# Altium PCB edison_gateway_v3.PcbDoc (part 1 of 3) (continued)
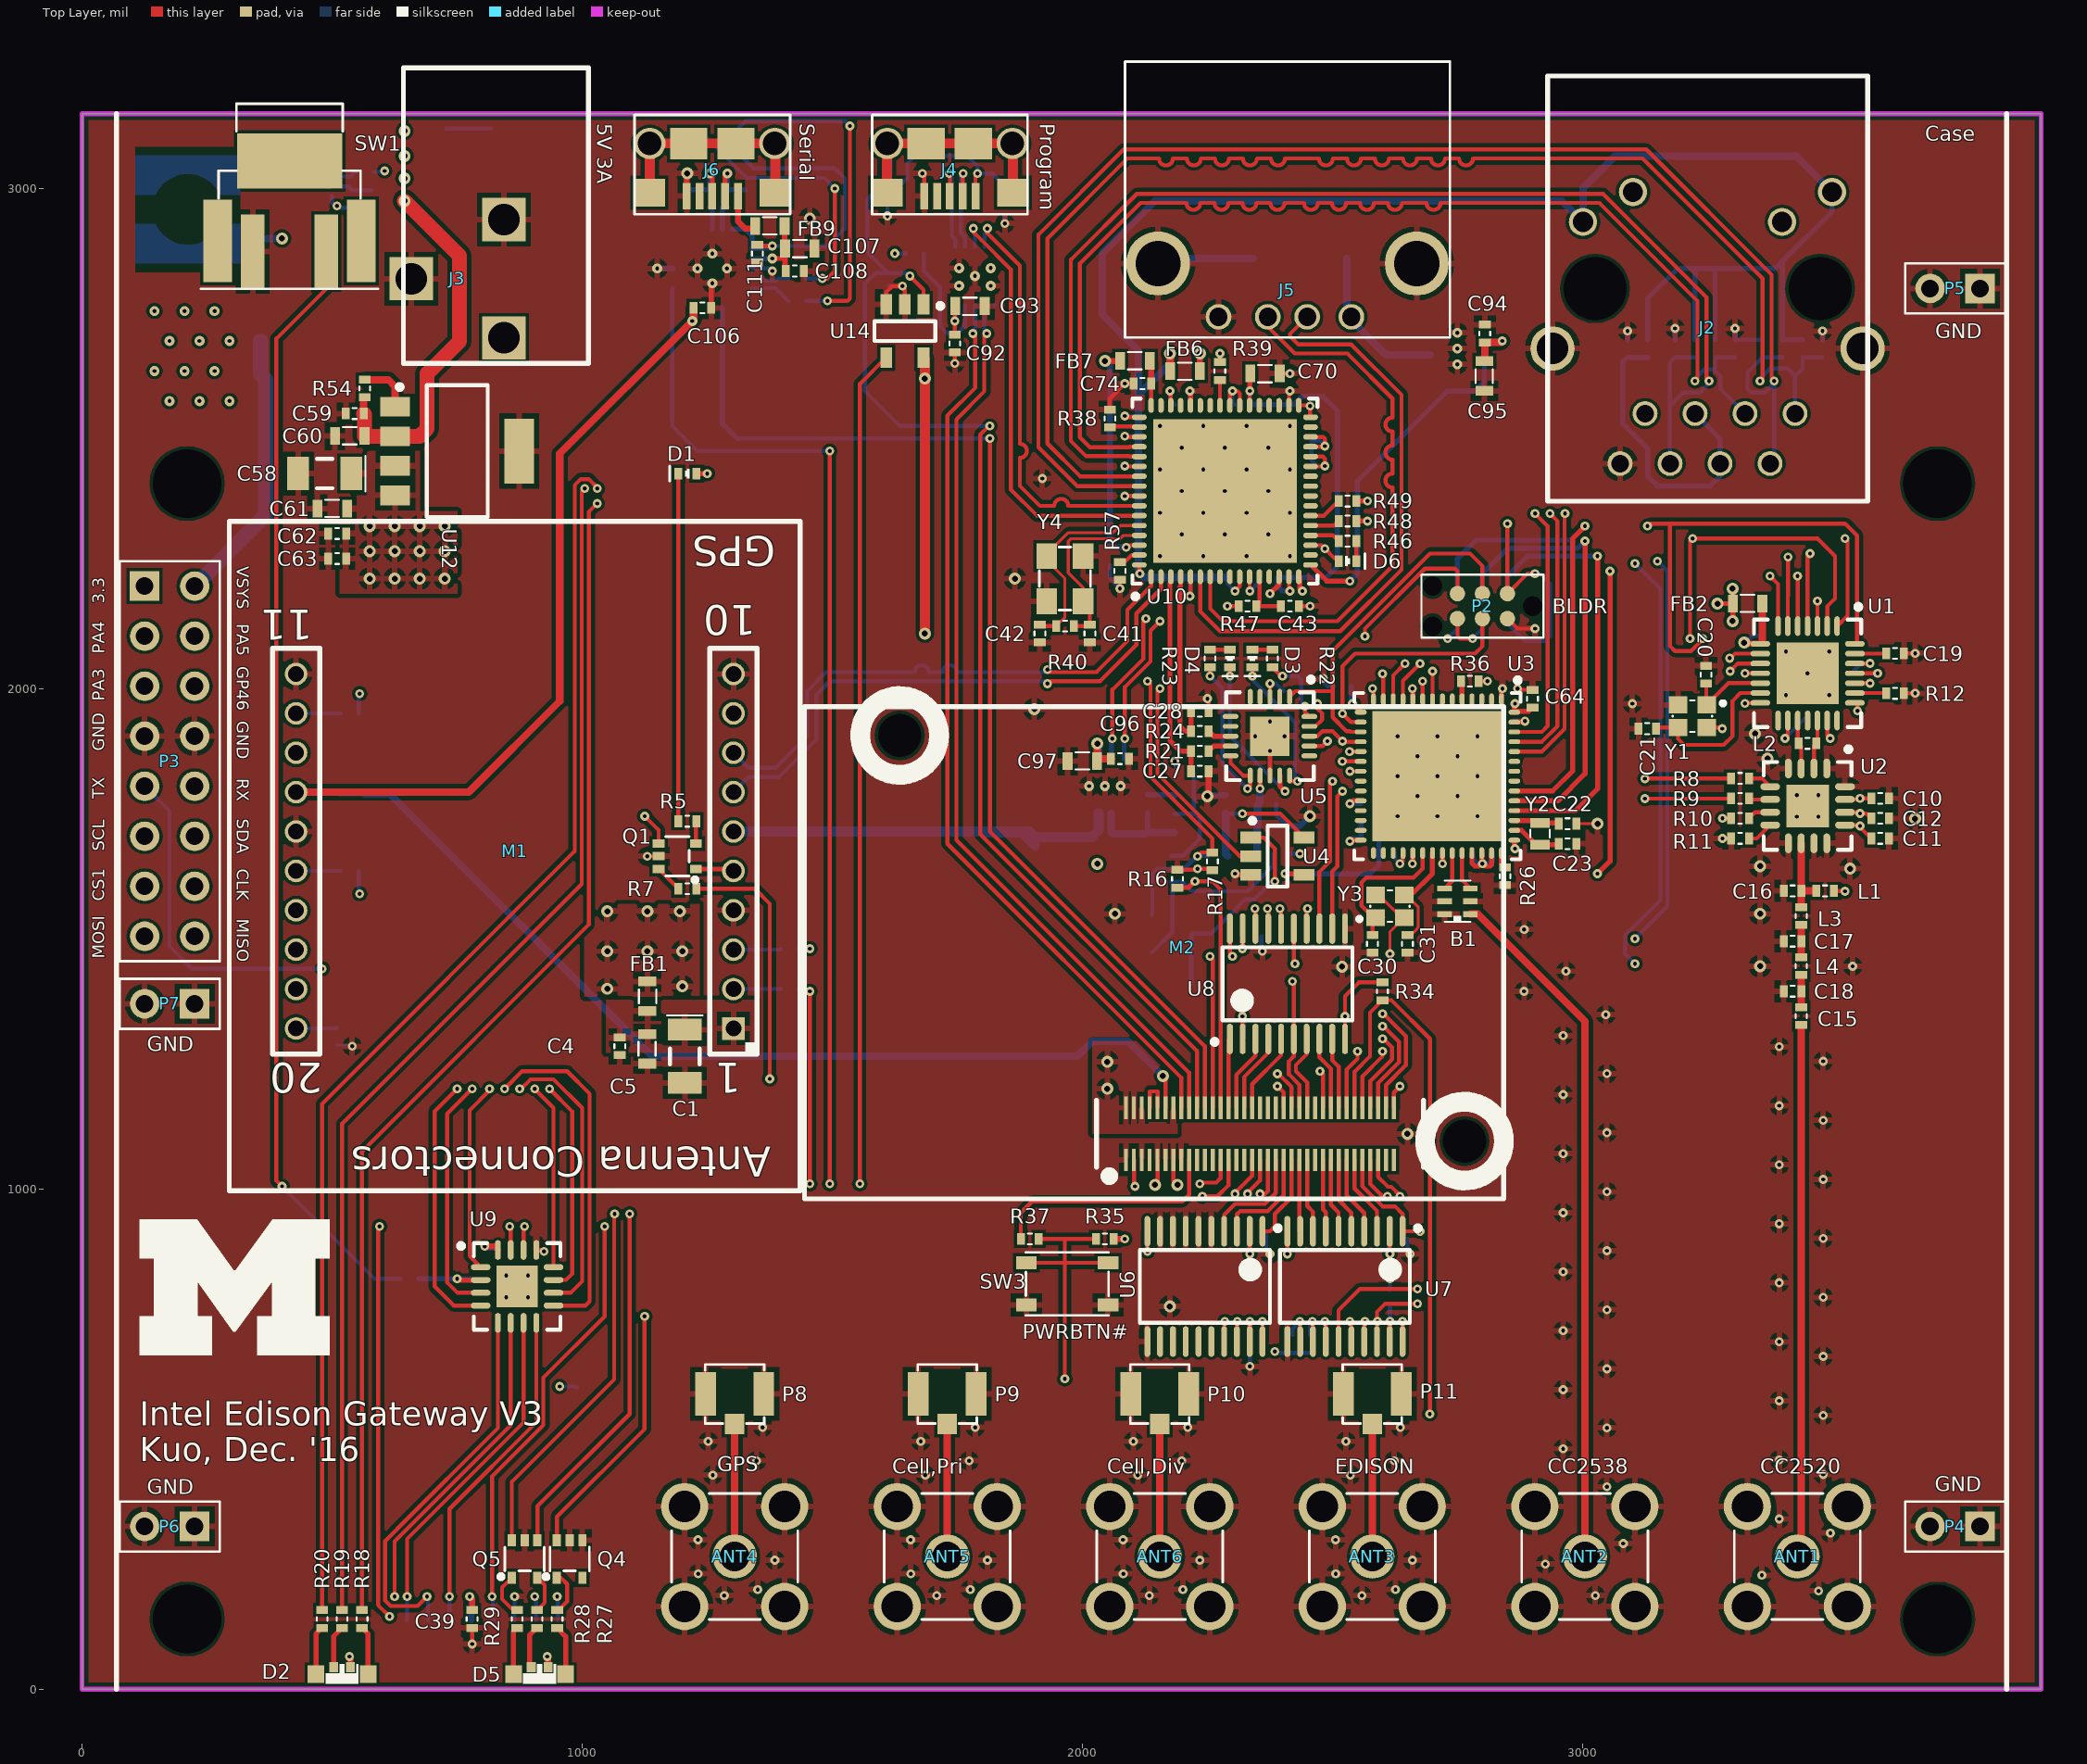
[diagram p0: Top Layer view]
## Design rules (kind name [scope] priority, off if disabled: settings) (continued)
SolderMaskExpansion "SolderMaskExpansion~Sunstone Circuits" [All] p2: expansion=3 // Sunstone Circuits Solder Mask Expansion Rule (MLB~4&6 Layer Designs)
ViasUnderSMD "ViasUnderSMD~Sunstone Circuits" [All] p1: allowed=FALSE // Sunstone Circuits Vias Under SMD~Do Not Allow (MLB~4&6 Layer Designs)
Width "Width~Sunstone Circuits" [All] p1: maxlimit=100 minlimit=6 preferedwidth=10 // Sunstone Circuits Minimum Width Rule (MLB~4&6 Layer Designs)
21 further rules are at their usual default settings.

## Classes and differential pairs
component class U_usb_uart: C106 C107 C108 C109 C110 C111 D9 FB9 FB10 J6 R58 R59 R60 R61 U17
component class U_usb_host_slave: C92 C93 C94 C95 C96 C97 C98 C99 C100 C101 C102 C103 C104 C105 FB8 J4 J5 Q6 R55 R56 R57 U13 U14 U15 U16
component class U_power: C49 C50 C51 C52 C53 C54 C55 C56 C57 C58 C59 C60 C61 C62 C63 C64 C65 C66 C67 C68 C69 C70 C71 C72 C73 C74 C75 C76 C77 C78 C79 C80 C81 C82 C83 C84 C85 C86 C87 C88 C89 C90 C91 D7 D8 FB4 FB5 FB6 FB7 J3 L5 M2 P4 P5 P6 P7 R50 R51 R52 R53 R54 U3 U11 U12
component class U_ethernet: C41 C42 C43 C44 C45 C46 C47 C48 D6 J2 R38 R39 R40 R41 R42 R43 R44 R45 R46 R47 R48 R49 U10 Y4
component class U_edison_misc: R35 R36 R37 SW3
component class U_edison_gpio: C32 C33 C34 C35 C36 C37 C38 C39 C40 D5 J1 P3 Q4 Q5 R27 R28 R29 R30 R31 R33 R34 SW1 U6 U7 U8 U9
component class U_cellular_modem: C1 C2 C3 C4 C5 C6 C7 D1 FB1 M1 Q1 R1 R2 R3 R4 R5 R6 R7
component class U_cc2538: ANT2 B1 C22 C23 C24 C25 C26 C27 C28 C29 C30 C31 D2 D3 D4 D10 FB3 P1 P2 Q2 Q3 R13 R14 R15 R16 R17 R18 R19 R20 R21 R22 R23 R24 R25 R26 R62 U4 U5 Y2 Y3
component class U_cc2520_cc2592: ANT1 C8 C9 C10 C11 C12 C13 C14 C15 C16 C17 C18 C19 C20 C21 FB2 L1 L2 L3 L4 R8 R9 R10 R11 R12 U1 U2 Y1
component class U_antennas: ANT3 ANT4 ANT5 ANT6 P8 P9 P10 P11
differential pair USB_UPSTREAM: +USB_UPSTREAM_P -USB_UPSTREAM_N
differential pair USB_TYPE_A_RCPT: +USB_TYPE_A_RCPT_P -USB_TYPE_A_RCPT_N
differential pair USB_SLAVE: +USB_SLAVE_P -USB_SLAVE_N
differential pair USB_FTDI: +USB_FTDI_P -USB_FTDI_N
differential pair USB_EDISON: +USB_EDISON_P -USB_EDISON_N
differential pair TX: +TX_P -TX_N
differential pair RX: +RX_P -RX_N
differential pair CELLULAR_USB_D: +CELLULAR_USB_D_P -CELLULAR_USB_D_N
differential pair CC2538_RF: +CC2538_RF_P -CC2538_RF_N
differential pair CC2520_RF: +CC2520_RF_P -CC2520_RF_N

## Components (designator, comment, footprint, x,y, rotation, side; value= is the part's Value field where it differs from the comment)
ANT1 "619540-1" 619540-1 3430,265 r270 top
ANT2 "619540-1" 619540-1 3005,265 r270 top
ANT3 "619540-1" 619540-1 2580,265 r270 top
ANT4 "619540-1" 619540-1 1305,265 r270 top
ANT5 "619540-1" 619540-1 1730,265 r270 top
ANT6 "619540-1" 619540-1 2155,265 r270 top
B1 "2450BM15A0002E" 2450BM15A0002 2750.32,1575 r180 top
C1 "100u" "1206 - POLAR MARKING" 1205.32,1265 r270 top
C2 "10u" 0603 1440.32,1685 r270 bottom
C3 "0.1u" 0402 1385.32,1695 r270 bottom
C4 "0.1u" 0402 1075.32,1285 r270 top
C5 "10u" 0603 1130.32,1280 r270 top
C6 "0.1u" 0402 515.32,1775 r270 bottom
C7 "10u" 0603 565.32,1760 r270 bottom
C8 "10u" 0603 3385.32,2030.63 r0 bottom
C9 "0.1u" 0402 3380.32,2105.63 r0 bottom
C10 "12p" 0402 3595.32,1780.63 r0 top
C11 "1000p" 0402 3595.32,1700.63 r0 top
C12 "1u" 0402 3595.32,1740.63 r0 top
C13 "0.1u" 0402 3520.32,2030.63 r180 bottom
C14 "0.1u" 0402 3450.32,1960.63 r90 bottom
C15 "18p" 0402 3437.6,1345.63 r270 top
C16 "2.2p" 0402 3420.32,1595.63 r180 top
C17 "2.2p" 0402 3420.32,1495 r180 top
C18 "0.2p" 0402 3420.32,1395 r180 top
C19 "0.1u" 0402 3625.32,2070.63 r0 top
C20 "12p" 0402 3247.31,2027.81 r270 top
C21 "12p" 0402 3130,1920 r0 top
C22 "22p" 0402 2970.32,1730 r0 top
C23 "22p" 0402 2970.32,1690 r0 top
C24 "0.1u" 0402 2370.32,1770 r0 bottom
C25 "10u" 0603 2380.32,1725 r0 bottom
C26 "0.1u" 0402 2420.32,1995 r180 bottom
C27 "47p" 0402 2235.32,1835 r180 top
C28 "47p" 0402 2235.32,1955 r180 top
C29 "1000p" 0402 2575.32,1735 r0 bottom
C30 "12p" 0402 2580.32,1490 r90 top
C31 "12p" 0402 2650.32,1490 r90 top
C32 "0.1u" 0402 2630.32,900 r0 bottom
C33 "0.1u" 0402 2350.32,915 r0 bottom
C34 "0.1u" 0402 2305.32,1300 r180 bottom
C35 "0.1u" 0402 797.17,817.8 r0 bottom
C36 "0.1u" 0402 2335.32,690 r270 bottom
C37 "0.1u" 0402 2340.32,1505 r0 bottom
C38 "0.1u" 0402 830,865 r270 bottom
C39 "0.1u" 0402 780,140 r270 top
C40 "1u" 0402 2615.32,780 r90 bottom
C41 "33p" 0402 2015.32,2110 r270 top
C42 "33p" 0402 1915.32,2110 r270 top
C43 "10000p" 0402 2415.32,2165 r0 top
C44 "0.022u" 0402 3090.32,2680 r90 bottom
C45 "15p" 0402 3480.32,2680 r90 bottom
C46 "15p" 0402 3360.32,2680 r90 bottom
C47 "15p" 0402 3305.32,2680 r90 bottom
C48 "15p" 0402 3185.32,2680 r90 bottom
C49 "100u" "1206 - POLAR MARKING" 410,2695 r0 bottom
C50 "22u" 1206 414.29,2899.11 r0 bottom
C51 "10u" 0603 395,2620 r0 bottom
C52 "1u" 0402 385,2570 r0 bottom
C53 "10u" 0603 379.29,3014.11 r270 bottom
C54 "100u" "1206 - POLAR MARKING" 760,3050 r0 bottom
C55 "10u" 0603 863.43,2783.74 r90 bottom
C56 "10u" 0603 750,2980 r0 bottom
C57 "10u" 0603 750,2925 r0 bottom
C58 "100u" "1206 - POLAR MARKING" 485.32,2430 r180 top
C59 "1u" 0402 545.32,2550 r180 top
C60 "10u" 0603 535.32,2505 r180 top
C61 "10u" 0603 500.32,2360 r180 top
C62 "1u" 0402 510.32,2310 r180 top
C63 "0.1u" 0402 510.32,2260 r180 top
C64 "0.1u" 0402 2900.32,1980 r90 top
C65 "0.1u" 0402 2625.32,1690 r90 bottom
C66 "0.1u" 0402 2660.32,1960 r270 bottom
C67 "0.1u" 0402 2520.32,2005 r180 bottom
C68 "0.1u" 0402 2575.32,1770 r0 bottom
C69 "0.1u" 0402 2845.32,1935 r180 bottom
C70 "10u" 0603 2365.32,2630 r0 top
C71 "0.1u" 0402 2390.32,2240 r90 bottom
C72 "0.1u" 0402 2360.32,2550 r270 bottom
C73 "1u" 0402 2055.32,2265 r270 bottom
C74 "0.1u" 0402 2120.32,2610 r180 top
C75 "0.1u" 0402 2660.32,1690 r90 bottom
C76 "0.1u" 0402 2720.32,1690 r90 bottom
C77 "0.1u" 0402 2780.32,1690 r90 bottom
C78 "0.1u" 0402 2355.32,2240 r90 bottom
C79 "0.1u" 0402 2440.32,2285 r180 bottom
C80 "0.1u" 0402 2440.32,2495 r180 bottom
C81 "0.1u" 0402 2305.32,2550 r270 bottom
C82 "0.1u" 0402 2185.32,2550 r270 bottom
C83 "0.1u" 0402 2215.32,2240 r90 bottom
C84 "0.1u" 0402 2290.32,2240 r90 bottom
C85 "0.1u" 0402 2130.32,2290 r0 bottom
C86 "0.1u" 0402 2130.32,2385 r0 bottom
C87 "0.1u" 0402 2130.32,2465 r0 bottom
C88 "0.1u" 0402 2130.32,2550 r0 bottom
C89 "0.1u" 0402 2130.32,2505 r0 bottom
C90 "220p" 0402 2820.32,1690 r90 bottom
C91 "0.1u" 0402 2863.86,1716.73 r90 bottom
C92 "1u" 0402 1745.32,2690 r270 top
C93 "10u" 0603 1775.32,2765 r0 top
C94 "1u" 0402 2805,2710 r90 top
C95 "10u" 0603 2804.13,2625 r270 top
C96 "1u" 0402 2075.32,1860 r0 top
C97 "10u" 0603 2000.32,1855 r180 top
C98 "150u" 2312 1905.32,1610 r270 bottom
C99 "150u" 2312 2435.32,2860 r180 bottom
C100 "1u" 0402 1800.32,1695 r270 bottom
C101 "10u" 0603 1750.32,1685 r270 bottom
C102 "1u" 0402 2655,2650 r270 bottom
C103 "10u" 0603 2605,2640 r270 bottom
C104 "1u" 0402 2130.32,1695 r270 bottom
C105 "10u" 0603 2080.32,1680 r270 bottom
C106 "0.1u" 0402 1240.63,2761.26 r0 top
C107 "10u" 0603 1435.32,2880 r0 top
C108 "0.1u" 0402 1425.32,2835 r0 top
C109 "47p" 0402 1325.32,2980 r270 bottom
C110 "47p" 0402 1220.32,2980 r270 bottom
C111 "0.1u" 0402 1350.32,2870 r270 top
D1 "APG1005CGC-T" "0402 - LED" 1210.32,2430 r180 top
D2 "HSMF-C113" HSMF 520,30 r180 top
D3 "APG1005CGC-T" "0402 - LED" 2340.32,2060 r270 top
D4 "SML-P12DTT86R" "0402 - LED" 2295.32,2060 r270 top
D5 "HSMF-C113" HSMF 915,30 r180 top
D6 "SML-P12DTT86R" "0402 - LED" 2530.32,2255 r0 top
D7 "SMAZ5V6-13-F" SMAZ5V1 953.43,2763.74 r270 bottom
D8 "APGA1602QBC/KA-5MAV" APGA1602 845,3120 r180 bottom
D9 "HSMF-C113" HSMF 1260.32,3120 r180 bottom
D10 "BAS40-05-7-F" SOT23-3 2180.32,1510 r0 bottom
FB1 "Ferrite Bead" 0603 1130.32,1385 r90 top
FB2 "Ferrite Bead" 0603 3330.32,2170 r180 top
FB3 "Ferrite Bead" 0603 2320.32,1665 r180 bottom
FB4 "Ferrite Bead" 0603 355,2800 r90 bottom
FB5 "Ferrite Bead" 0603 770.32,2785 r270 bottom
FB6 "Ferrite Bead" 0603 2205.32,2635 r0 top
FB7 "Ferrite Bead" 0603 2105.32,2655 r180 top
FB8 "Ferrite Bead" 0603 1610.32,3000 r90 bottom
FB9 "Ferrite Bead" 0603 1375.32,2925 r180 top
FB10 "Ferrite Bead" 0603 1135.32,2995 r90 bottom
J1 "2201778-1" 2201778-1 800,165 r180 bottom
J2 "J0011D01BNL" J0011D01BNL 3250.32,2800 r0 top locked
J3 "PJ-102AH" PJ-102AH 843.43,2819.49 r0 top
J4 "micro USB-B" "MICRO USB-B" 1735.32,3090 r180 top
J5 "USB-A" 292303-2 2410.32,2850 r180 top
J6 "micro USB-B" "MICRO USB-B" 1260.32,3090 r180 top
L1 "4.7n" 0402 3485.32,1595.63 r180 top
L2 "6.8n" 0402 3450.32,1890.63 r180 top
L3 "1n" 0402 3437.6,1545.63 r90 top
L4 "2n" 0402 3437.6,1445.63 r90 top
L5 "470n" 74404300047 211.57,2958.11 r0 bottom
M1 "NL-SW-LTE-TNAG" SKYWIRE 865.32,1675 r180 top
M2 "Intel Edison" "Intel Edison mating" 2355.32,1110 r0 top
P1 "TC2030" TC2030-IDC-NLFP 2800.32,2165 r180 bottom
P2 "TC2030" TC2030-IDC-NLFP 2800.32,2165 r180 top
P3 "2 x 8 header" "2x8 header" 175.32,1855 r270 top
P4 "1 x 2 header" "1x2 header" 3745.32,325 r180 top
P5 "1 x 2 header" "1x2 header" 3745.32,2800 r180 top
P6 "1 x 2 header" "1x2 header" 175.32,325 r180 top
P7 "1 x 2 header" "1x2 header" 175.32,1370 r180 top
P8 "U.FL-R-SMT-1(01)" U.FL-R-SMT-1(01) 1305,590 r0 top
P9 "U.FL-R-SMT-1(01)" U.FL-R-SMT-1(01) 1730,590 r0 top
P10 "U.FL-R-SMT-1(01)" U.FL-R-SMT-1(01) 2155,590 r0 top
P11 "U.FL-R-SMT-1(01)" U.FL-R-SMT-1(01) 2580,590 r0 top
Q1 "DMN32D2LDF" SOT-353-5 1190.32,1665 r90 top
Q2 "Si3865DDV" TSOT-23 2235.32,1750 r180 bottom
Q3 "DMN32D2LDF" SOT-353-5 2215.32,1640 r90 bottom
Q4 "DMN32D2LDF" SOT-353-5 975,260 r0 top
Q5 "DMN32D2LDF" SOT-353-5 885,260 r0 top
Q6 "DMN32D2LDF" SOT-353-5 1650.32,2805 r270 bottom
R1 "0" 0402 1415.32,1400 r180 bottom
R2 "0" 0402 1415.32,1480 r180 bottom
R3 "0" 0402 535.32,1635 r180 bottom
R4 "0" 0402 535.32,1950 r180 bottom
R5 "330" 0402 1210.32,1735 r0 top
R6 "100k" 0402 510.32,1305 r270 bottom
R7 "0" 0402 1210.32,1600 r180 top
R8 "10k" 0402 3315.32,1820.63 r0 top
R9 "10k" 0402 3315.32,1780.63 r0 top
R10 "10k" 0402 3315.32,1740.63 r0 top
R11 "3.9k" 0402 3315.32,1700.63 r180 top
R12 "56k" 0402 3625.32,1990.63 r0 top
R13 "10k" 0402 2130.32,1770 r90 bottom
R14 "100k" 0402 2205.32,1830 r0 bottom
R15 "10k" 0402 2400.32,1670 r180 bottom
R16 "100k" 0402 2190.32,1620 r90 top
R17 "100k" 0402 2260.32,1655 r270 top
R18 "100" 0402 560,140 r90 top
R19 "330" 0402 520,140 r270 top
R20 "200" 0402 480,140 r90 top
R21 "27" 0402 2235.32,1875 r0 top
R22 "330" 0402 2380.32,2060 r270 top
R23 "330" 0402 2255.32,2060 r270 top
R24 "27" 0402 2235.32,1915 r0 top
R25 "2.2k" 0402 2575.32,1700 r0 bottom
R26 "56k" 0402 2845.32,1625 r270 top
R27 "100" 0402 950,140 r270 top
R28 "330" 0402 910,140 r270 top
R29 "200" 0402 870,140 r270 top
R30 "10k" 0402 2455.32,690 r90 bottom
R31 "10k" 0402 2420.32,690 r90 bottom
R33 "10k" 0402 655,820 r180 bottom
R34 "10k" 0402 2600.32,1395 r270 top
R35 "10k" 0402 2045,900 r180 top
R36 "0" 0402 2775.32,2015 r0 top
R37 "200" 0402 1895,900 r0 top
R38 "12.4k" 0402 2055.32,2540 r270 top
R39 "10k" 0402 2275.32,2635 r270 top
R40 "1Meg" 0402 1965.32,2125 r180 top
R41 "49.9" 0402 3440.32,2680 r270 bottom
R42 "49.9" 0402 3400.32,2680 r270 bottom
R43 "49.9" 0402 3265.32,2680 r270 bottom
R44 "49.9" 0402 3225.32,2680 r270 bottom
R45 "10" 0402 3130.32,2680 r270 bottom
R46 "330" 0402 2530.32,2295 r180 top
R47 "10k" 0402 2330.32,2165 r0 top
R48 "330" 0402 2530.32,2335 r0 top
R49 "330" 0402 2530.32,2375 r0 top
R50 "1Meg" 0402 566.57,3033.11 r0 bottom
R51 "634k" 0402 539.29,2979.11 r90 bottom
R52 "162k" 0402 579.29,2979.11 r270 bottom
R53 "200" 0402 710,3120 r0 bottom
R54 "10k" 0402 565.32,2600 r90 top
R55 "100k" 0402 1665.32,2870 r0 bottom
R56 "100k" 0402 1845.32,2965 r270 bottom
R57 "12k" 0402 2075.32,2235 r270 top
R58 "27" 0402 1290.32,2980 r270 bottom
R59 "27" 0402 1255.32,2980 r270 bottom
R60 "330" 0402 1430.32,2775 r180 bottom
R61 "330" 0402 1430.32,2820 r180 bottom
R62 "100k" 0402 2200.32,1410 r180 bottom
SW1 "KT11P4SA2M35LFG" KT11PXSA2M 415,3055 r270 top
SW3 "PTS810" PTS810 1970,810 r0 top
U1 "CC2520" QFN-28 3450.32,2030.63 r270 top
U2 "CC2592" QFN-16 3450.32,1765.63 r270 top
U3 "CC2538" QFN56 2710.32,1825 r270 top
U4 "SN74LVC1G125" SOT23-5 2390.32,1665 r0 top
U5 "FT231XQ-R" QFN-20_N 2375.32,1905 r270 top
U6 "TXS0108E-Q1" TSSOP-20 2245.32,805 r270 top
U7 "TXS0108E-Q1" TSSOP-20 2525.32,805 r270 top
U8 "TXS0108E-Q1" TSSOP-20 2410.32,1410 r90 top
U9 "MAX13035E" TQFN-16 870,805 r0 top
U10 "LAN9513" QFN-64 2285.32,2395 r90 top
U11 "TPS62085" VSON 464.29,3014.11 r180 bottom
U12 "LP3874" SOT150P700X180-5N 750.32,2475 r0 top
U13 "TS3USB221DRCR" S-PVSON-N10 1785.32,2825 r270 bottom
U14 "SN74LVC1G125" SOT23-5 1645.32,2715 r270 top
U15 "AP2152A" U-DFN3030-8 2045.32,1805 r0 bottom
U16 "AP2152A" U-DFN3030-8 2750,2680 r270 bottom
U17 "FT231XQ-R" QFN-20_N 1260.32,2840 r0 bottom
Y1 "FA-128" FA-128 3220,1945 r180 top
Y2 "ABS05" ABS05 2915.32,1710 r90 top
Y3 "FA-128" FA-128 2615.32,1565 r0 top
Y4 "ABM8-25.000MHZ-B2-T" ABM8 1965.32,2220 r270 top

## Footprints (in the part's own frame and the unit in brackets; to place one, negate y for a bottom-side part, rotate by r counter-clockwise, add the part's x,y. Pads: shape width x height; smd on the part's side, far side on the other; paste and mask are expansions set on the pad)
"1x2 header" [mm] "1x2 header, 100 mils"
  rect 1.5x1.5 hole 0.9: 1(-1.27,0)
  round 1.5 hole 0.9: 2(1.27,0)
  silkscreen extent -2.54,-1.27 2.54,1.27, body extent -2.53,-1.26 2.53,1.26, height 8.38
"2x8 header" [mm] "2x8 header, 100 mils"
  rect 1.5x1.5 hole 0.9: 1(-8.89,-1.27)
  round 1.5 hole 0.9: 2(-8.89,1.27) 3(-6.35,-1.27) 4(-6.35,1.27) 5(-3.81,-1.27) 6(-3.81,1.27) 7(-1.27,-1.27) 8(-1.27,1.27) 9(1.27,-1.27) 10(1.27,1.27) 11(3.81,-1.27) 12(3.81,1.27) 13(6.35,-1.27) 14(6.35,1.27) 15(8.89,-1.27) 16(8.89,1.27)
  silkscreen extent -10.16,-2.54 10.16,2.54, body extent -10.16,-2.54 10.16,2.54, height 8.38
0402 [mm] "2-Leads, Body 1.00x0.50mm, IPC Medium Density"
  rect 0.4x0.6 smd: 1(-0.45,0) 2(0.45,0)
  silkscreen extent -0.1,-0.28 0.1,0.28, body extent -0.53,-0.28 0.53,0.27, height 0.4
"0402 - LED" [mm] "2-Leads, Body 1.00x0.50mm, IPC Medium Density"
  rect 0.4x0.6 smd: 1(-0.45,0) 2(0.45,0)
  silkscreen extent -0.13,-0.38 0.89,0.38, body extent -0.53,-0.28 0.53,0.27, height 0.4
0603 [mm] "2-Leads, Body 1.55x0.85mm, IPC Medium Density"
  rect 0.5x0.9 smd: 1(-0.75,0) 2(0.75,0)
  silkscreen extent -0.35,-0.45 0.35,0.43, body extent -0.75,-0.42 0.75,0.43, height 0.5
1206 [mm]
  rect 1.1x1.7 smd: 1(-1.35,0) 2(1.35,0)
  silkscreen extent -0.4,-0.75 0.4,0.75, body extent -1.7,-0.9 1.7,0.9, height 1.3
"1206 - POLAR MARKING" [mm]
  rect 1.1x1.7 smd: 1(-1.35,0) 2(1.35,0)
  silkscreen extent -2.07,-0.9 0.4,0.91, body extent -1.7,-0.9 1.7,0.9, height 1.3
2312 [mm] "Chip Capacitor, 2-Leads, Body 6.00x3.20mm, IPC Medium Density"
  rect 2.15x3.4 smd: 1(-2.375,0) 2(2.375,0)
  silkscreen extent -3.62,-1.75 0.9,1.8, body extent -3.05,-1.67 3.05,1.68, height 2.67
2450BM15A0002 [mm] "Chip Array, Flat, 6-Leads, Pitch 0.65mm,  Body 2.00x1.25mm,  IPC Medium Density"
  rect 0.75x0.3 smd: 1(-0.65,0.65) 2(-0.65,0) 3(-0.65,-0.65) 4(0.65,-0.65) 5(0.65,0) 6(0.65,0.65)
  silkscreen extent -0.65,-1.05 0.65,1.05, body extent -0.67,-1.05 0.67,1.05, height 0.81
292303-2 [mm] "USB 2.0 Type A, 4 position receptacle"
  round 1.3 hole 0.92: 1(-3.25,2.71) 2(-1,2.71) 3(1,2.71) 4(3.5,2.71)
  round 3.25 hole 2.3: 5(-6.57,0) 6(6.57,0)
  silkscreen extent -8.25,-10.25 8.25,3.75, body extent -8.12,-10.25 8.12,3.75, height 7.12
619540-1 [mm] "SMA connector, through hole, right angle, 12 GHz"
  round 2.4 hole 1.6: 1(-2.54,2.54) 1(-2.54,-2.54) 1(2.54,2.54) 1(2.54,-2.54)
  round 2.25 hole 1.52: 2(0,0)
  silkscreen extent -3.2,-3.2 3.2,3.2, body extent -3.2,-3.2 15.8,3.2, height 9.6
2201778-1 [mm] "Micro SD Slot"
  rect 0.8x1.4 smd: 1(3.85,-0.7) 2(2.75,-0.7) 3(1.65,-0.7) 4(0.55,-0.7) 5(-0.55,-0.7) 6(-1.65,-0.7) 7(-2.75,-0.7) 8(-3.85,-0.7)
  rect 1.15x0.45 smd: 9(-4.815,11.125)
  rect 1.1x0.45 smd: 10(-4.84,10.465)
  rect 1.35x1.8 smd: 11(-4.74,-2.75)
  rect 0.65x2.14 smd: 12(-5.065,3.88)
  rect 0.65x1.6 smd: 13(-5.065,8.96)
  rect 0.65x1.3 smd: 14(8.835,10.9)
  rect 0.6x1.15 smd: 15(8.86,4.975)
  rect 1.16x1.5 smd: 16(8.58,-3)
  silkscreen extent -5.18,-4.95 8.86,11.25, body extent -5.17,-4.95 8.86,11.25, height 1.85
74404300047 [mm] "Wurth inductor"
  rect 0.5x0.5 smd: 1(0,2.3) 2(0,-2.3)
  Top Layer pour cut-out: -2.65,2.75 -2.65,-2.75 2.65,-2.75 2.65,2.75
  Top Layer region: 2.65,-0.75 2.65,-2.75 -2.65,-2.75 -2.65,-0.745 -1.639,-0.745 -1.141,-1.392 -0.408,-1.753 0.408,-1.753 1.141,-1.392 1.639,-0.745 1.639,-0.745 1.639,-0.75
  Top Layer region: -2.65,0.75 -2.65,2.75 2.65,2.75 2.65,0.745 1.639,0.745 1.141,1.392 0.408,1.753 -0.408,1.753 -1.141,1.392 -1.639,0.745 -1.639,0.745 -1.639,0.75
  silkscreen extent -2.4,-0.6 2.4,0.6, body extent -2.4,-2.4 2.4,2.4, height 2.8
ABM8 [mm]
  rect 1.3x1.05 smd: 1(-1.15,-0.925) 2(1.15,-0.925) 3(1.15,0.925) 4(-1.15,0.925)
  silkscreen extent -1.6,-1.3 1.6,1.3, body extent -1.6,-1.3 1.6,1.3, height 0.65
ABS05 [mm] "ABS05 Crystal"
  rect 0.5x1 smd: 1(-0.55,0) 2(0.55,0)
  silkscreen extent -0.2,-0.5 0.2,0.5, body extent -0.8,-0.5 0.8,0.5, height 0.5
APGA1602 [mm] "Kingbright APGA right angle surface mount LED"
  rect 0.35x0.7 smd mask+0.07: 1(0.675,0) 2(-0.675,0)
  silkscreen extent -0.43,-0.35 0.4,0.35, body extent -0.8,-0.25 0.8,0.65, height 0.2
FA-128 [mm] "Seiko Epson FA-128 Crystal"
  rect 0.95x0.85 smd: 1(-0.725,-0.575) 2(0.725,-0.575) 3(0.725,0.575) 4(-0.725,0.575)
  silkscreen extent -1.63,-0.8 1,0.8, body extent -1,-0.8 1,0.8, height 0.5
HSMF [mm] "Avago SMD right angle LED"
  rect 0.85x0.9 smd mask+0.07: 1(-1.325,0) 4(1.325,0)
  rect 0.45x0.5 smd mask+0.07: 2(-0.425,-0.35) 3(0.425,-0.35)
  silkscreen extent -0.82,-0.5 0.82,0.48, body extent -1.25,-0.25 1.25,0.75, height 1
"Intel Edison mating" [mm] "DF40 Series 0.4 mm Pitch, 3.0 Height, Board-to-Board connectors"
  rect 0.2x1.14 smd: 1(-6.8,-1.32) 2(-6.8,1.32) 3(-6.4,-1.32) 4(-6.4,1.32) 5(-6,-1.32) 6(-6,1.32) 7(-5.6,-1.32) 8(-5.6,1.32) 9(-5.2,-1.32) 10(-5.2,1.32) 11(-4.8,-1.32) 12(-4.8,1.32) 13(-4.4,-1.32) 14(-4.4,1.32) 15(-4,-1.32) 16(-4,1.32) 17(-3.6,-1.32) 18(-3.6,1.32) 19(-3.2,-1.32) 20(-3.2,1.32) 21(-2.8,-1.32) 22(-2.8,1.32) 23(-2.4,-1.32) 24(-2.4,1.32) 25(-2,-1.32) 26(-2,1.32) 27(-1.6,-1.32) 28(-1.6,1.32) 29(-1.2,-1.32) 30(-1.2,1.32) 31(-0.8,-1.32) 32(-0.8,1.32) 33(-0.4,-1.32) 34(-0.4,1.32) 35(0,-1.32) 36(0,1.32) 37(0.4,-1.32) 38(0.4,1.32) 39(0.8,-1.32) 40(0.8,1.32) 41(1.2,-1.32) 42(1.2,1.32) 43(1.6,-1.32) 44(1.6,1.32) 45(2,-1.32) 46(2,1.32) 47(2.4,-1.32) 48(2.4,1.32) 49(2.8,-1.32) 50(2.8,1.32) 51(3.2,-1.32) 52(3.2,1.32) 53(3.6,-1.32) 54(3.6,1.32) 55(4,-1.32) 56(4,1.32) 57(4.4,-1.32) 58(4.4,1.32) 59(4.8,-1.32) 60(4.8,1.32) 61(5.2,-1.32) 62(5.2,1.32) 63(5.6,-1.32) 64(5.6,1.32) 65(6,-1.32) 66(6,1.32) 67(6.4,-1.32) 68(6.4,1.32) 69(6.8,-1.32) 70(6.8,1.32)
  round 0 hole 2.2: ""(-18.3,20.23) ""(10.39,-0.37)
  silkscreen extent -23.13,-3.3 12.39,22.23, body extent -23.13,-3.38 12.43,21.7, height 5.31
J0011D01BNL [mm] "Pulse Electronic RJ45 Jack"
  round 1.26 hole 0.9: 1(4.445,-6.35) 2(3.175,-8.89) 3(1.905,-6.35) 4(0.635,-8.89) 5(-0.635,-6.35) 6(-1.905,-8.89) 7(-3.175,-6.35) 8(-4.445,-8.89)
  round 1.43 hole 1.02: 9(6.325,4.9) 10(3.785,3.38) 11(-3.785,4.9) 12(-6.325,3.38)
  round 2.25 hole 1.6: 13(7.875,-3.05) 14(-7.875,-3.05)
  round 0 hole 3.2: ""(-5.715,0) ""(5.715,0)
  silkscreen extent -8.13,-10.8 8.13,10.79, body extent -8.32,-10.55 8.28,10.8, height 13.57
KT11PXSA2M [mil]
  rect 148x47.5 smd mask+2.76: 2(181,73.75) 4(181,-73.75)
  rect 110x210 smd mask+2.76: ""(0,0)
  rect 165x57.5 smd mask+2.76: ""(159.49,143.75) ""(159.49,-143.75)
  silkscreen extent -114,-177 256,177, body extent -114,-154 224,154, height 281
"MICRO USB-B" [mm]
  rect 0.4x1.35 smd mask+0.1: 1(-1.3,2.675) 2(-0.65,2.675) 3(0,2.675) 4(0.65,2.675) 5(1.3,2.675)
  rect 1.6x1.4 smd mask+0.1: 6(-3.2,2.5) 6(3.2,2.5)
  round 1.6 hole 1.2: 6(-3.175,0) 6(3.175,0)
  rect 1.9x1.6 smd mask+0.1: 6(-1.2,0) 6(1.2,0)
  silkscreen extent -3.95,-1.45 3.95,3.6, body extent -3.93,-2.8 3.93,2.86, height 2.85
PJ-102AH [mm] "Power Jack"
  rect 2.2x2.2 hole 1.6: 1(0,-3) 2(0,3) 3(-4.7,0)
  silkscreen extent -5.1,-4.3 4.3,10.7, body extent -5,-3.8 4.4,10.6, height 11
PTS810 [mm] "C & K PTS 810 Microminiature SMT"
  rect 1.05x0.65 smd: 1(-2.075,1.075) 2(2.075,1.075) 3(-2.075,-1.075) 4(2.075,-1.075)
  silkscreen extent -2.1,-1.6 2.1,1.6, body extent -2.1,-1.6 2.1,1.6, height 4.1
QFN56 [mm] "QFN, 56-Leads, Body 8.00x8.00mm, Pitch 0.50mm, Thermal Pad 6.60x6.60mm, IPC Medium Density"
  oval 0.6x0.25 smd: 1(-3.9,3.25) 2(-3.9,2.75) 3(-3.9,2.25) 4(-3.9,1.75) 5(-3.9,1.25) 6(-3.9,0.75) 7(-3.9,0.25) 8(-3.9,-0.25) 9(-3.9,-0.75) 10(-3.9,-1.25) 11(-3.9,-1.75) 12(-3.9,-2.25) 13(-3.9,-2.75) 14(-3.9,-3.25) 29(3.9,-3.25) 30(3.9,-2.75) 31(3.9,-2.25) 32(3.9,-1.75) 33(3.9,-1.25) 34(3.9,-0.75) 35(3.9,-0.25) 36(3.9,0.25) 37(3.9,0.75) 38(3.9,1.25) 39(3.9,1.75) 40(3.9,2.25) 41(3.9,2.75) 42(3.9,3.25)
  oval 0.25x0.6 smd: 15(-3.25,-3.9) 16(-2.75,-3.9) 17(-2.25,-3.9) 18(-1.75,-3.9) 19(-1.25,-3.9) 20(-0.75,-3.9) 21(-0.25,-3.9) 22(0.25,-3.9) 23(0.75,-3.9) 24(1.25,-3.9) 25(1.75,-3.9) 26(2.25,-3.9) 27(2.75,-3.9) 28(3.25,-3.9) 43(3.25,3.9) 44(2.75,3.9) 45(2.25,3.9) 46(1.75,3.9) 47(1.25,3.9) 48(0.75,3.9) 49(0.25,3.9) 50(-0.25,3.9) 51(-0.75,3.9) 52(-1.25,3.9) 53(-1.75,3.9) 54(-2.25,3.9) 55(-2.75,3.9) 56(-3.25,3.9)
  rect 6.6x6.6 smd: 57(0,0)
  silkscreen extent -5,-4.22 4.22,4.23, body extent -4.08,-4.07 4.07,4.08, height 1
QFN-16 [mm] "QFN, 16-Leads, Body 4.00x4.00mm, Pitch 0.65mm, Thermal Pad 2.16x2.16mm, IPC Medium Density"
  oval 1x0.35 smd: 1(-1.9,0.975) 2(-1.9,0.325) 3(-1.9,-0.325) 4(-1.9,-0.975) 9(1.9,-0.975) 10(1.9,-0.325) 11(1.9,0.325) 12(1.9,0.975)
  oval 0.35x1 smd: 5(-0.975,-1.9) 6(-0.325,-1.9) 7(0.325,-1.9) 8(0.975,-1.9) 13(0.975,1.9) 14(0.325,1.9) 15(-0.325,1.9) 16(-0.975,1.9)
  rect 2.16x2.16 smd: 17(0,0)
  silkscreen extent -3,-2.22 2.22,2.22, body extent -2.07,-2.07 2.07,2.07, height 1
QFN-20_N [mm] "QFN, 20-Leads, Body 4x4mm, Pitch 0.5mm, Thermal Pad 2x2mm, IPC Medium Density"
  oval 0.8x0.25 smd: 1(-2,1) 2(-2,0.5) 3(-2,0) 4(-2,-0.5) 5(-2,-1) 11(2,-1) 12(2,-0.5) 13(2,0) 14(2,0.5) 15(2,1)
  oval 0.25x0.8 smd: 6(-1,-2) 7(-0.5,-2) 8(0,-2) 9(0.5,-2) 10(1,-2) 16(1,2) 17(0.5,2) 18(0,2) 19(-0.5,2) 20(-1,2)
  rect 2x2 smd paste-1: 21(0,0)
  silkscreen extent -3,-2.22 2.23,2.23, body extent -2.07,-2.07 2.08,2.08, height 0.8
QFN-28 [mm] "QFN, 28-Leads, Body 5.00x5.00mm, Pitch 0.50mm, Thermal Pad 3.15x3.15mm, IPC Medium Density"
  oval 1x0.28 smd: 1(-2.4,1.5) 2(-2.4,1) 3(-2.4,0.5) 4(-2.4,0) 5(-2.4,-0.5) 6(-2.4,-1) 7(-2.4,-1.5) 15(2.4,-1.5) 16(2.4,-1) 17(2.4,-0.5) 18(2.4,0) 19(2.4,0.5) 20(2.4,1) 21(2.4,1.5)
  oval 0.28x1 smd: 8(-1.5,-2.4) 9(-1,-2.4) 10(-0.5,-2.4) 11(0,-2.4) 12(0.5,-2.4) 13(1,-2.4) 14(1.5,-2.4) 22(1.5,2.4) 23(1,2.4) 24(0.5,2.4) 25(0,2.4) 26(-0.5,2.4) 27(-1,2.4) 28(-1.5,2.4)
  rect 3.15x3.15 smd: 29(0,0)
  silkscreen extent -3.5,-2.73 2.73,2.72, body extent -2.57,-2.58 2.58,2.57, height 1
QFN-64 [mm] "QFN, 64-Leads, Body 9.00x9.00mm, Pitch 0.50mm, Thermal Pad 7.30x7.30mm, IPC Medium Density"
  oval 0.75x0.28 smd: 1(-4.35,3.75) 2(-4.35,3.25) 3(-4.35,2.75) 4(-4.35,2.25) 5(-4.35,1.75) 6(-4.35,1.25) 7(-4.35,0.75) 8(-4.35,0.25) 9(-4.35,-0.25) 10(-4.35,-0.75) 11(-4.35,-1.25) 12(-4.35,-1.75) 13(-4.35,-2.25) 14(-4.35,-2.75) 15(-4.35,-3.25) 16(-4.35,-3.75) 33(4.35,-3.75) 34(4.35,-3.25) 35(4.35,-2.75) 36(4.35,-2.25) 37(4.35,-1.75) 38(4.35,-1.25) 39(4.35,-0.75) 40(4.35,-0.25) 41(4.35,0.25) 42(4.35,0.75) 43(4.35,1.25) 44(4.35,1.75) 45(4.35,2.25) 46(4.35,2.75) 47(4.35,3.25) 48(4.35,3.75)
  oval 0.28x0.75 smd: 17(-3.75,-4.35) 18(-3.25,-4.35) 19(-2.75,-4.35) 20(-2.25,-4.35) 21(-1.75,-4.35) 22(-1.25,-4.35) 23(-0.75,-4.35) 24(-0.25,-4.35) 25(0.25,-4.35) 26(0.75,-4.35) 27(1.25,-4.35) 28(1.75,-4.35) 29(2.25,-4.35) 30(2.75,-4.35) 31(3.25,-4.35) 32(3.75,-4.35) 49(3.75,4.35) 50(3.25,4.35) 51(2.75,4.35) 52(2.25,4.35) 53(1.75,4.35) 54(1.25,4.35) 55(0.75,4.35) 56(0.25,4.35) 57(-0.25,4.35) 58(-0.75,4.35) 59(-1.25,4.35) 60(-1.75,4.35) 61(-2.25,4.35) 62(-2.75,4.35) 63(-3.25,4.35) 64(-3.75,4.35)
  rect 7.3x7.3 smd: 65(0,0)
  silkscreen extent -5.47,-4.7 4.7,4.7, body extent -4.55,-4.55 4.55,4.55, height 1
S-PVSON-N10 [mm] "SON, 10-Leads, Body 3.00x3.00mm, Pitch 0.50mm, Thermal Pad 2.40x1.49mm, IPC Medium Density"
  rect 0.85x0.28 smd: 1(-1.475,1) 2(-1.475,0.5) 3(-1.475,0) 4(-1.475,-0.5) 5(-1.475,-1) 6(1.475,-1) 7(1.475,-0.5) 8(1.475,0) 9(1.475,0.5) 10(1.475,1)
  rect 1.65x2.4 smd: 11(0,0)
  silkscreen extent -2.22,-1.7 1.7,1.7, body extent -1.55,-1.55 1.55,1.55, height 1
SKYWIRE [mm] "NimbeLink_skywire"
  rect 1.15x1.15 hole 0.8: 1(-11.107,9)
  round 1.15 hole 0.8: 2(-11.107,7) 3(-11.107,5) 4(-11.107,3) 5(-11.107,1) 6(-11.107,-1) 7(-11.107,-3) 8(-11.107,-5) 9(-11.107,-7) 10(-11.107,-9) 11(11.108,-9) 12(11.108,-7) 13(11.108,-5) 14(11.108,-3) 15(11.108,-1) 16(11.108,1) 17(11.108,3) 18(11.108,5) 19(11.108,7) 20(11.108,9)
  silkscreen extent -14.5,-16.75 14.5,17.25, body extent -14.48,-16.71 14.48,17.17, height 10.92
SMAZ5V1 [mm]
  rect 1.7x2.5 smd: 1(-2,0) 2(2,0)
  silkscreen extent -2.3,-1.45 3,1.45, body extent -2.3,-1.45 2.3,1.45, height 2.3
SOT23-3 [mm] "SOT23, 3-Leads, Body 2.9x1.3mm, Pitch 0.95mm, Lead Span 2.3mm, IPC Medium Density"
  rect 1.3x0.6 smd: 1(-1.05,0.95) 2(-1.05,-0.95) 3(1.05,0)
  silkscreen extent -1.17,-1.5 0.7,1.92, body extent -0.7,-1.5 0.7,1.5, height 1.2
SOT23-5 [mm] "SOT23, 5-Leads, Body 2.90x2.45mm, Pitch 0.95mm, IPC Medium Density"
  rect 1.05x0.6 smd: 1(-1.35,0.95) 2(-1.35,0) 3(-1.35,-0.95) 4(1.35,-0.95) 5(1.35,0.95)
  silkscreen extent -1.4,-1.55 0.5,1.92, body extent -0.88,-1.52 0.87,1.53, height 1.45
SOT150P700X180-5N [mm] "SOT223, 5-Leads, Body 6.50x7.00mm (avg), Pitch 1.50mm, IPC Medium Density"
  rect 1.5x1 smd: 1(-3.15,2.25) 2(-3.15,0.75) 3(-3.15,-0.75) 4(-3.15,-2.25)
  rect 1.5x3.3 smd: 5(3.15,0)
  silkscreen extent -3.05,-3.35 1.55,3.37, body extent -1.85,-3.35 1.85,3.35, height 1.8
SOT-353-5 [mm]
  rect 0.42x0.6 smd: 1(-0.65,-0.95) 2(0.65,-0.95) 3(0.65,0.95) 4(0,0.95) 5(-0.65,0.95)
  silkscreen extent -1.3,-1 1,0.6, body extent -1,-0.6 1,0.6, height 1
TC2030-IDC-NLFP [mil]
  round 31 smd paste-1181.1: 1(-50,-25) 2(-50,25) 3(0,-25) 4(0,25) 5(50,-25) 6(50,25)
  round 0 hole 39 unplated: ""(-100,0) ""(100,-40) ""(100,40)
  Top Layer pour cut-out: -50,25 -50,-25 50,-25 50,25
  silkscreen extent -122,-63 122,63
TQFN-16 [mm] "QFN, 16-Leads, Body 4.00x4.00mm, Pitch 0.65mm, Thermal Pad 2.10x2.10mm, IPC Medium Density"
  oval 1x0.3 smd: 1(-1.85,0.975) 2(-1.85,0.325) 3(-1.85,-0.325) 4(-1.85,-0.975) 9(1.85,-0.975) 10(1.85,-0.325) 11(1.85,0.325) 12(1.85,0.975)
  oval 0.3x1 smd: 5(-0.975,-1.85) 6(-0.325,-1.85) 7(0.325,-1.85) 8(0.975,-1.85) 13(0.975,1.85) 14(0.325,1.85) 15(-0.325,1.85) 16(-0.975,1.85)
  rect 2.1x2.1 smd: 17(0,0)
  silkscreen extent -2.97,-2.2 2.2,2.2, body extent -2.05,-2.05 2.05,2.05, height 0.9
TSOT-23 [mm] "SOT23, 6-Leads, Body 2.90x2.45mm, Pitch 0.95mm, IPC Medium Density"
  rect 1.22x0.62 smd: 1(-1.31,0.95) 2(-1.31,0) 3(-1.31,-0.95) 4(1.31,-0.95) 5(1.31,0) 6(1.31,0.95)
  silkscreen extent -1.4,-1.45 0.5,1.92, body extent -0.88,-1.45 0.87,1.45, height 1
TSSOP-20 [mm] "TSOP, 20-Leads, Body 6.50x4.40mm, Pitch 0.65mm, IPC Medium Density"
  oval 1.55x0.3 smd: 1(-2.8,2.925) 2(-2.8,2.275) 3(-2.8,1.625) 4(-2.8,0.975) 5(-2.8,0.325) 6(-2.8,-0.325) 7(-2.8,-0.975) 8(-2.8,-1.625) 9(-2.8,-2.275) 10(-2.8,-2.925) 11(2.8,-2.925) 12(2.8,-2.275) 13(2.8,-1.625) 14(2.8,-0.975) 15(2.8,-0.325) 16(2.8,0.325) 17(2.8,0.975) 18(2.8,1.625) 19(2.8,2.275) 20(2.8,2.925)
  silkscreen extent -3.07,-3.3 1.85,3.83, body extent -2.25,-3.3 2.25,3.3, height 1.2
U-DFN3030-8 [mm]
  rect 0.3x0.65 smd: 1(-0.975,-1.375) 2(-0.325,-1.375) 3(0.325,-1.375) 4(0.975,-1.375) 5(0.975,1.375) 6(0.325,1.375) 7(-0.325,1.375) 8(-0.975,1.375)
  rect 2.34x1.6 smd: 9(0,0)
  silkscreen extent -1.6,-1.6 1.5,1.5, body extent -1.5,-1.5 1.5,1.5, height 0.6
U.FL-R-SMT-1(01) [mm]
  rect 1.05x2.2 smd mask+0.07: 1(-1.475,0) 1(1.475,0)
  rect 1x1.05 smd mask+0.07: 2(0,-1.525)
  silkscreen extent -1.5,-1.5 1.5,1.5, body extent -1.5,-1.55 1.5,1.55, height 1.25
VSON [mm] "2 x 2 mm VSON"
  rect 0.6x0.25 smd mask+0.07: 1(-0.9,0.75)
  oval 0.6x0.25 smd mask+0.07: 2(-0.9,0.25) 3(-0.9,-0.25) 4(-0.9,-0.75)
  rect 1.5x0.3 smd mask+0.07: 5(0.45,-0.6) 6(0.45,0) 7(0.45,0.6)
  silkscreen extent -1,-1 1,1.18, body extent -1,-1 1,1, height 1